# Altium PCB CanStepDriverPowerstep.PcbDoc
Units mm, origin at the board's own origin, x right, y up, seen from the top; angles counter-clockwise.
Board outline 152.4 x 101.6 mm, 4 copper layers (Top Layer, Power Layer, Ground Layer, Bottom Layer), stack 0.603 mm thick; 45 components, 43 nets, 243 pads, 47 vias.
Unrouted connection lines stored in the file: 115.
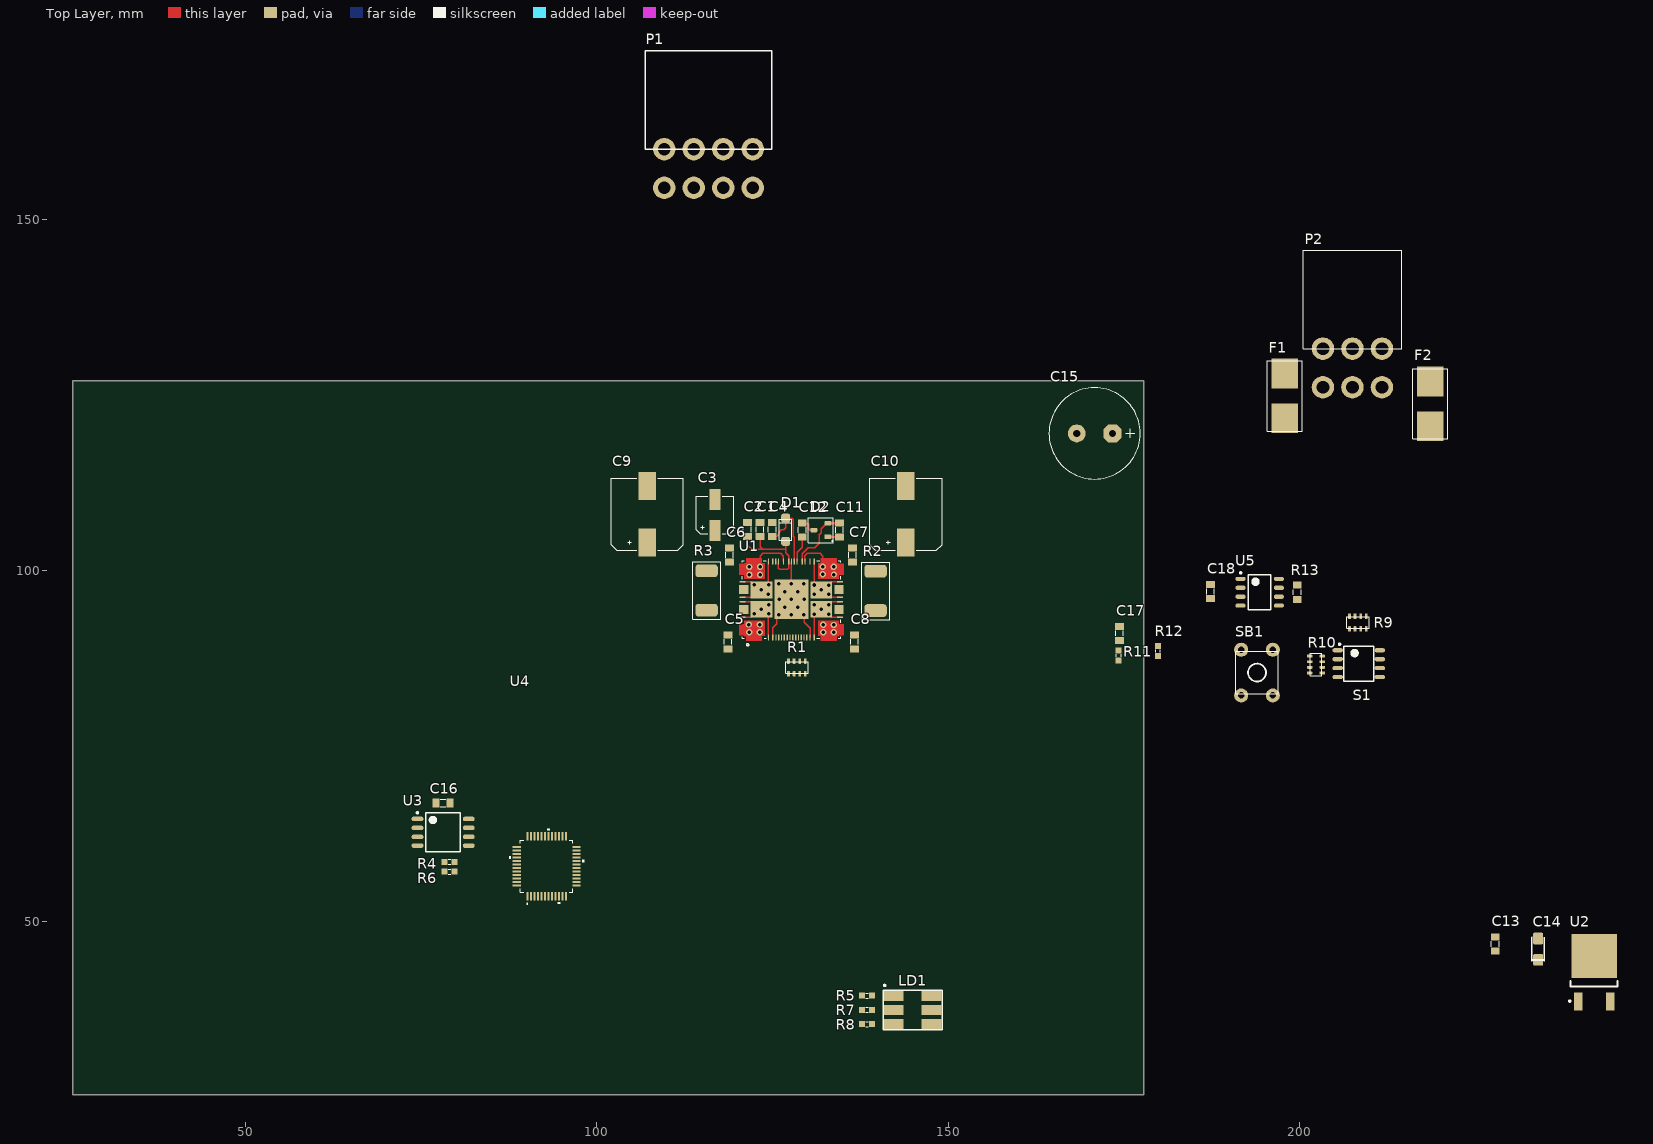
[diagram p0: Top Layer view]
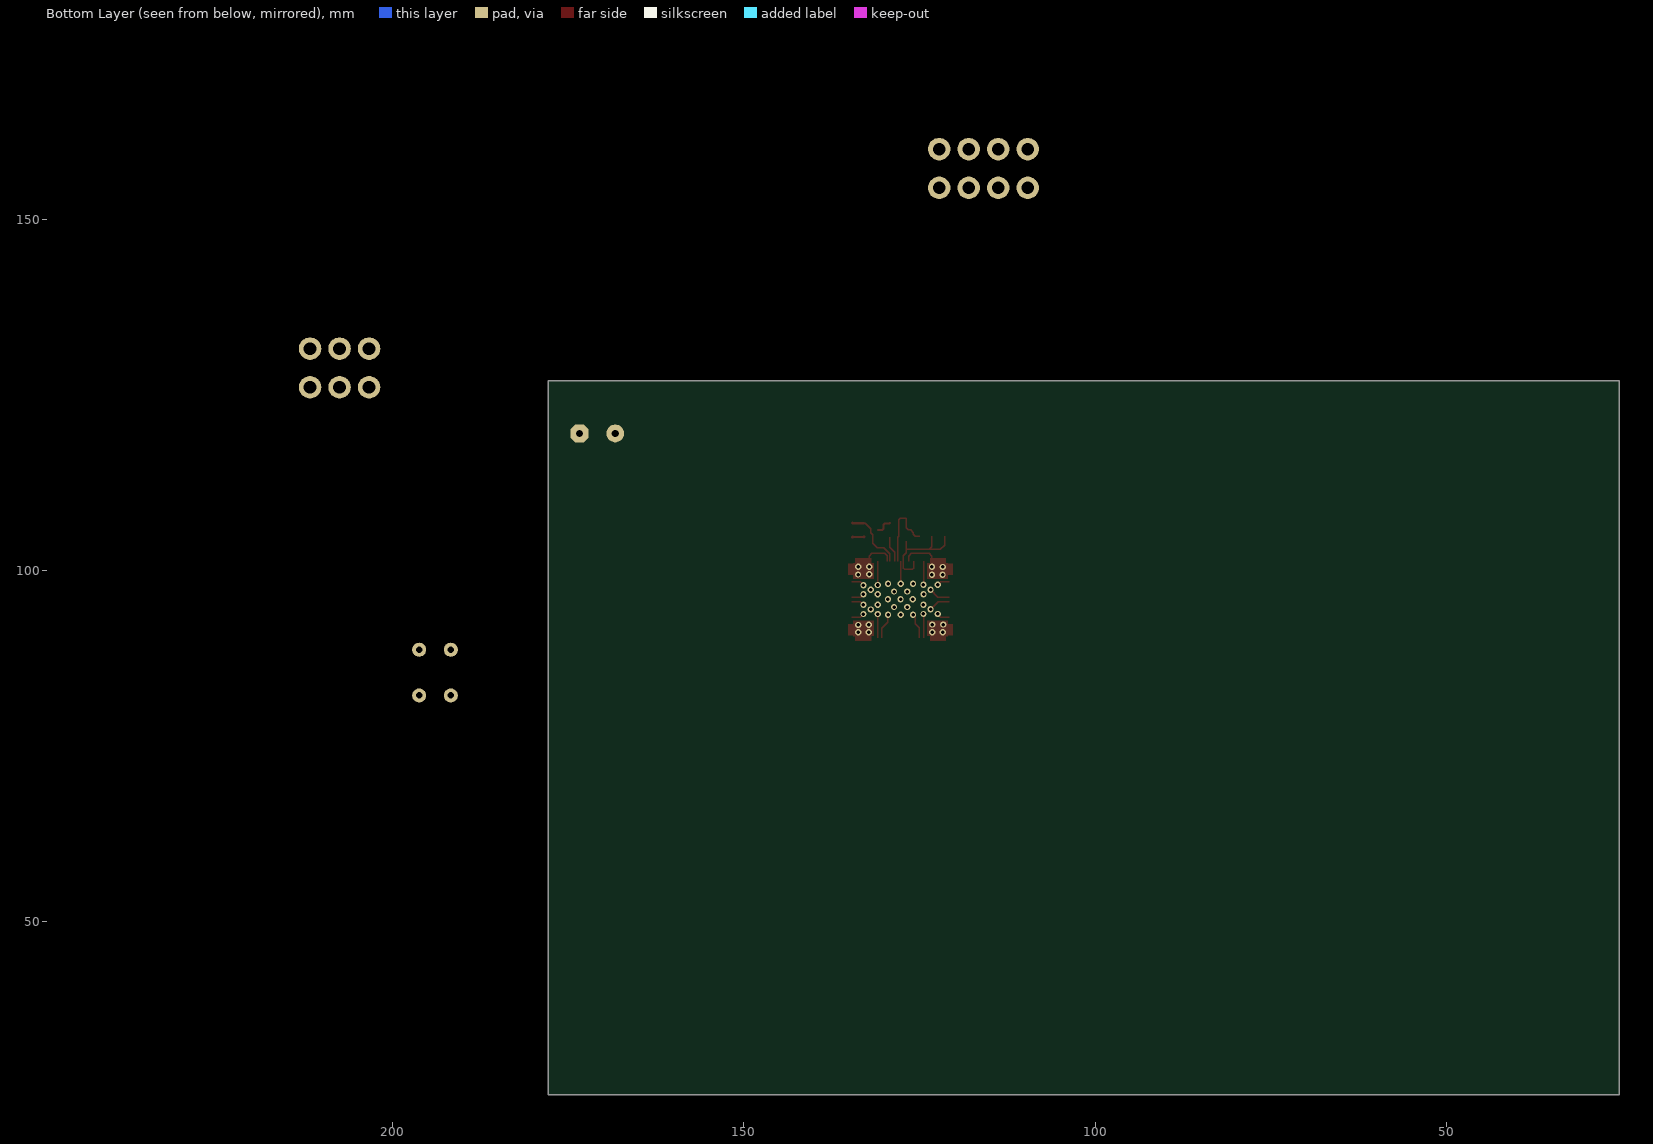
[diagram p1: Bottom Layer view, seen from below]
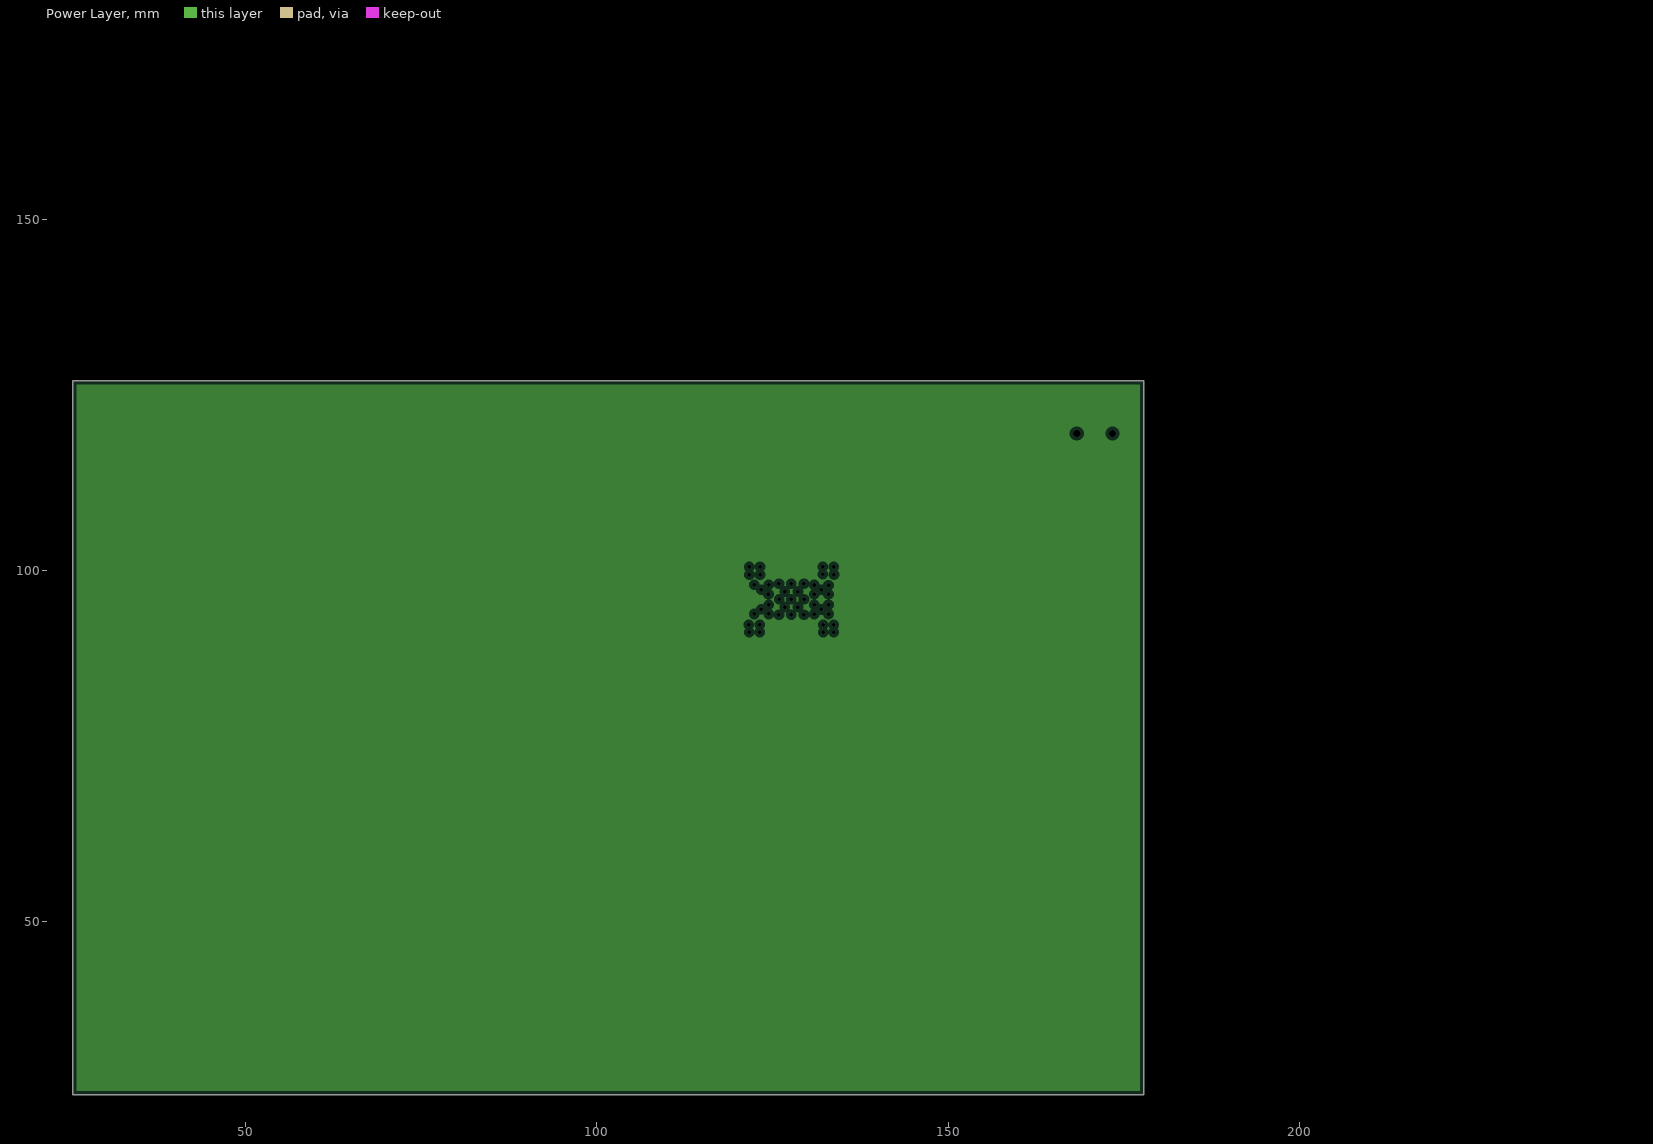
[diagram p2: Power Layer, clearances drawn from the general rule]
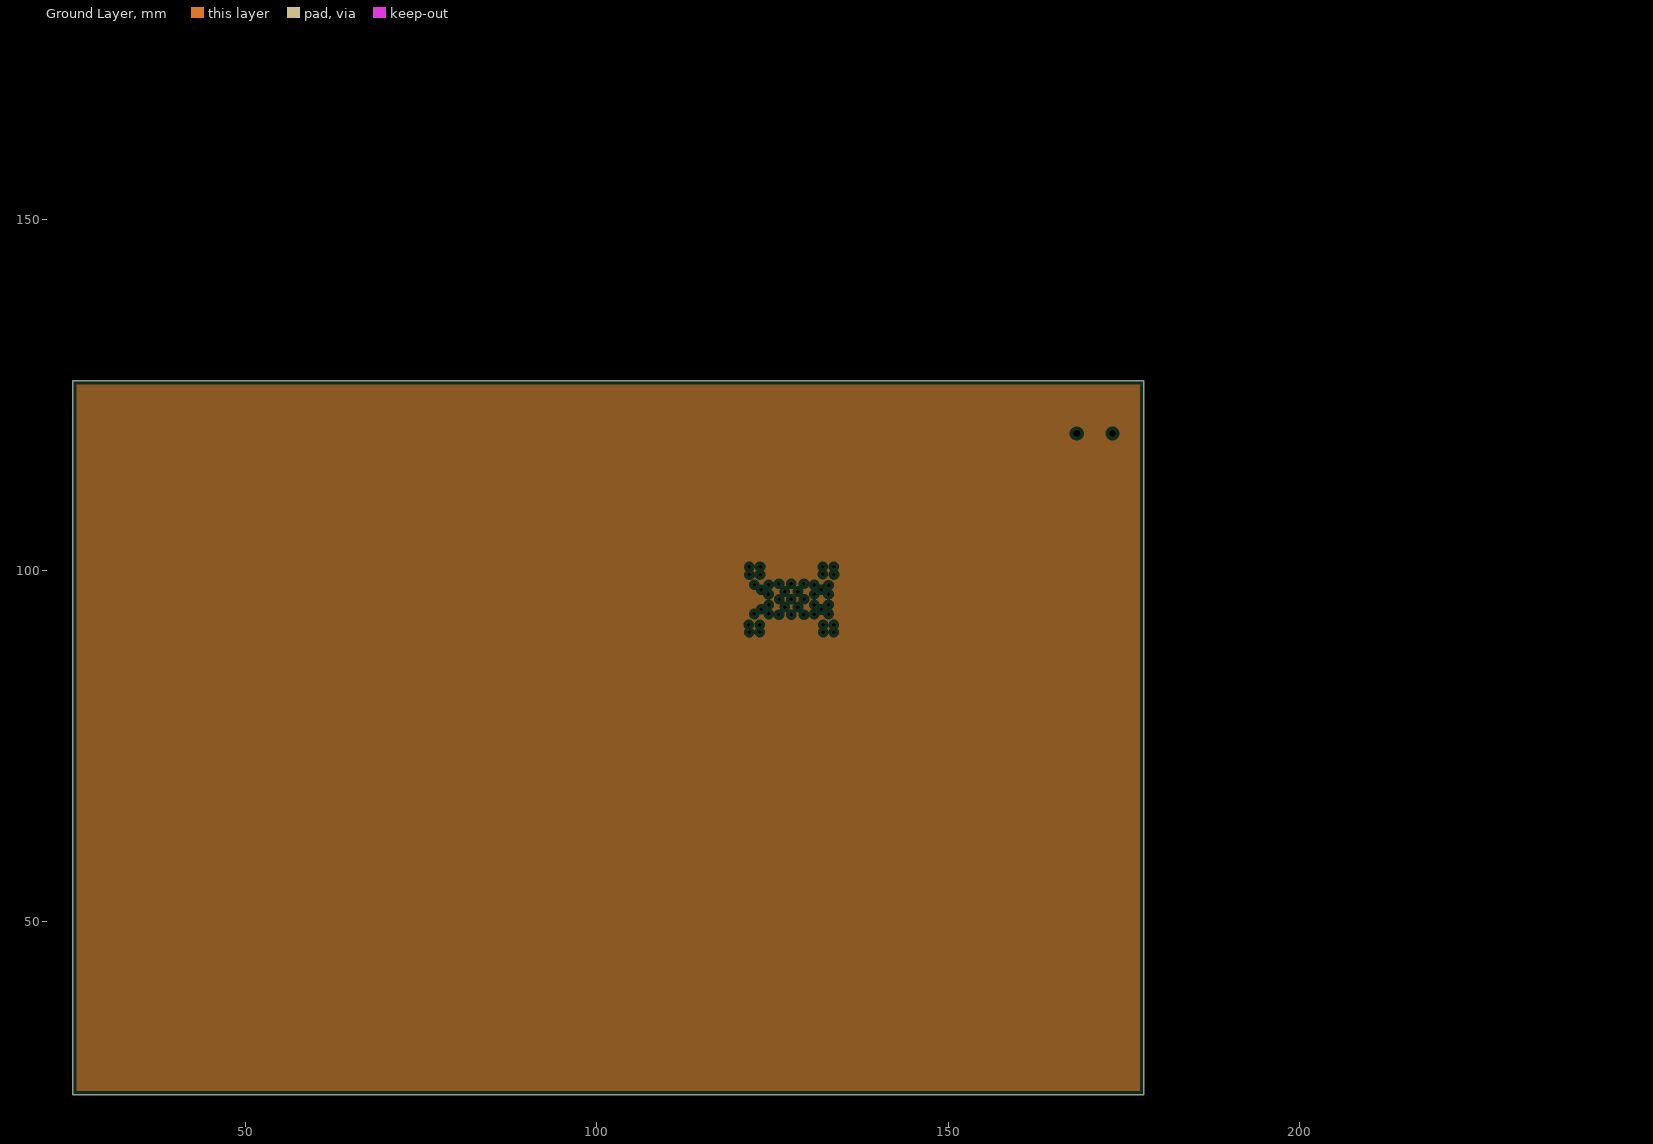
[diagram p3: Ground Layer, clearances drawn from the general rule]

## Layer stack, top to bottom
Top Solder: solder mask 0.0102, Solder Resist, Dk 3.5
Top Layer: signal copper 0.0356
Dielectric 2: prepreg 0.0711, PP-006, Dk 4.1
Power Layer: plane copper 0.035
Dielectric 1: dielectric 0.32, FR-4, Dk 4.8
Ground Layer: plane copper 0.035
Dielectric 3: prepreg 0.0711, PP-006, Dk 4.1
Bottom Layer: signal copper 0.0356
Bottom Solder: solder mask 0.0102, Solder Resist, Dk 3.5

## Board outline
25.4,25.4 177.8,25.4 177.8,127 25.4,127

## Design rules (kind name [scope] priority, off if disabled: settings)
Clearance [All] p1: gap=0.18 ignorepadtopadclearanceinfootprint=FALSE
PlaneClearance [All] p1: clearance=0.508
PlaneConnect [All] p1: planeconnectstyle=Relief reliefexpansion=0.508 reliefentries=4 reliefconductorwidth=0.254 reliefairgap=0.254
PolygonConnect [All] p1: connectstyle=Relief reliefconductorwidth=0.254 reliefentries=4 polygonreliefangle="90 Angle" airgapwidth=0.254
RoutingVias [All] p1: holewidth=0.711 width=1.27 viastyle="Through Hole" minholewidth=0.711 minwidth=1.27 maxholewidth=0.711 maxwidth=1.27
SolderMaskExpansion [All] p1: expansion=0.102 istentingtop=FALSE
Width [All] p1: maxlimit=1 minlimit=0.18 preferedwidth=0.25 minimp=50.000000 maximp=50.000000 favimp=50.000000
28 further rules are at their usual default settings.

## Classes and differential pairs
component class "U_03 - Interfaces": C18 R13 U5
component class "U_02 - MCU": C16 C17 LD1 R4 R5 R6 R7 R8 R9 R10 R11 R12 S1 SB1 U3 U4
component class "U_01 - Power": C1 C2 C3 C4 C5 C6 C7 C8 C9 C10 C11 C12 C13 C14 C15 D1 D2 F1 F2 P1 P2 R1 R2 R3 U1 U2

## Components (designator, comment, footprint, x,y, rotation, side; value= is the part's Value field where it differs from the comment)
C1 "100nF" "CAP: 0805" 123.2,105.85 r270 top
C2 "220nF" "CAP: 0805" 121.4,105.85 r90 top
C3 "47u" "EL SMD Case C D5x5.3 h5.4(0505)" 116.8,107.9 r90 top
C4 "470nF" "CAP: 0805" 124.95,105.85 r90 top
C5 "220nF" "CAP: 0805" 118.65,89.85 r270 top
C6 "220nF" "CAP: 0805" 118.85,102.2 r90 top
C7 "220nF" "CAP: 0805" 136.35,102.2 r90 top
C8 "220nF" "CAP: 0805" 136.65,89.85 r270 top
C9 "100u" "EL SMD Case G D10x10.3 h10.2(1010)" 107.15,108 r90 top
C10 "100u" "EL SMD Case G D10x10.3 h10.2(1010)" 143.95,108 r90 top
C11 "470nF" "CAP: 0805" 134.5,105.75 r90 top
C12 "" "CAP: 0805" 129.2,105.75 r90 top value="47n x 100v"
C13 "100nF" "CAP: 0805" 227.838,46.863 r90 top
C14 "10u" "EL Case A (3216-18)" 233.934,46.101 r90 top
C15 "1000u" El-d13-h21-F5.08 170.815,119.507 r0 top
C16 "100nF" "CAP: 0805" 78.105,66.929 r180 top
C17 "100nF" "CAP: 0805" 174.371,91.059 r90 top
C18 "100nF" "CAP: 0805" 187.325,97.028 r90 top
D1 "BAT46Z" SOD123 126.85,105.8 r90 top
D2 "BAR43" SOT23 131.85,105.75 r90 top
F1 "5A" "Littelfuse 0451/453" 197.866,124.841 r90 top
F2 "8A" "Littelfuse 0451/453" 218.567,123.713 r90 top
LD1 "FYLS-5050RGB" FYLS-5050RGB 144.907,37.465 r0 top
P1 "DS-1073-4x2" DS-1073-4x2 115.874,157.209 r90 top
P2 "DS-1073_3x2" DS-1073-2x3 207.509,128.822 r90 top
R1 "47k" RM4x0603 128.45,86.2 r90 top
R2 "0R1" R2512 139.65,97.1 r270 top
R3 "0R1" R2512 115.6,97.15 r270 top
R4 "4k7" "RES: 0603" 78.994,58.547 r180 top
R5 "220" "RES: 0603" 138.43,39.497 r0 top
R6 "4k7" "RES: 0603" 78.994,57.15 r180 top
R7 "220" "RES: 0603" 138.43,37.465 r0 top
R8 "360" "RES: 0603" 138.43,35.433 r0 top
R9 "10k" RM4x0603 208.28,92.583 r90 top
R10 "470" RM4x0603 202.311,86.614 r0 top
R11 "10k" "RES: 0603" 174.244,87.884 r90 top
R12 "10k" "RES: 0603" 179.832,88.519 r90 top
R13 "120" "RES: 0805" 199.644,96.901 r90 top
S1 "DHN-04F-V" SOIC-8-DIP_W 208.407,86.741 r0 top
SB1 "TS-06" TS-06 193.929,85.471 r0 top
U1 "POWERSTEP01" POWERSTEP01 127.67,95.865 r90 top
U2 "LD1117DT33CTR" DPAK 241.935,41.91 r90 top
U3 "24LC256I/SM" "SOP-8N (SOIJ)" 78.105,62.738 r0 top
U4 "STM32G431CBTx" LQFP48-7x7mm 92.837,57.912 r90 top value=Value
U5 "MCP2551" SOIC-8N 194.31,96.901 r0 top

## Footprints (in the part's own frame and the unit in brackets; to place one, negate y for a bottom-side part, rotate by r counter-clockwise, add the part's x,y. Pads: shape width x height; smd on the part's side, far side on the other; paste and mask are expansions set on the pad)
"CAP: 0805" [mm]
  rect 1x1.25 smd: 1(-1,0) 2(1,0)
  silkscreen extent -0.38,-0.55 0.38,0.55, body extent -1,-0.62 1,0.63, height 0.78
DPAK [mm]
  rect 2.5x1.2 smd: 1(-3.25,2.29) 3(-3.25,-2.29)
  rect 6.25x6.5 smd: 2(3.25,0)
  round 0.5 on Mech1: ""(-3.2,2.9)
  silkscreen extent -3.32,-3.3 -0.3,3.62, body extent -3.8,-3.32 6.3,3.42, height 2.37
DS-1073-2x3 [mm]
  round 3.2 hole 1.8: 1(-2.75,4.2) 2(2.75,4.2) 3(-2.75,0) 4(2.75,0) 5(-2.75,-4.2) 6(2.75,-4.2)
  oval 1.35x1 hole 3.2 unplated: ""(10.05,-4.2) ""(10.05,4.2)
  silkscreen extent 2.75,-7 16.75,7, body extent -3.29,-7 16.84,6.9, height 11.44
DS-1073-4x2 [mm]
  round 3.2 hole 1.8: 1(-2.75,6.3) 2(2.75,6.3) 3(-2.75,2.1) 4(2.75,2.1) 5(-2.75,-2.1) 6(2.75,-2.1) 7(-2.75,-6.3) 8(2.75,-6.3)
  oval 1.35x1 hole 3.2 unplated: ""(10.05,-6.3) ""(10.05,6.3)
  silkscreen extent 2.75,-9 16.75,9, body extent -3.23,-9.08 16.9,8.98, height 11.44
"EL Case A (3216-18)" [mm] "Capacitor, SM Tantalum; Body 3.2 x 1.6 mm (LxW typ)"
  rrect25% 1.65x1.4 smd: 1(-1.525,0) 2(1.525,0)
  silkscreen extent -1.7,-0.9 1.7,0.9, body extent -1.6,-0.8 1.6,0.8, height 1.61
"EL SMD Case C D5x5.3 h5.4(0505)" [mm]
  rect 3x1.6 smd mask+0.102: 1(-2.2,0) 2(2.2,0)
  silkscreen extent -2.65,-2.65 2.65,2.65, body extent -2.95,-2.65 2.95,2.65, height 5.41
"EL SMD Case G D10x10.3 h10.2(1010)" [mm]
  rect 4x2.5 smd mask+0.102: 1(-4,0) 2(4,0)
  silkscreen extent -5.15,-5.15 5.15,5.15, body extent -5.8,-5.15 5.8,5.15, height 10.2
El-d13-h21-F5.08 [mil]
  oct 100x100 hole 40: 1(100,0)
  round 100 hole 40: 2(-100,0)
  silkscreen extent -256,-256 256,256, body extent -257,-256 257,255, height 848
FYLS-5050RGB [mm]
  rect 2.8x1.4 smd: 1(-2.7,2) 2(-2.7,0) 3(-2.7,-2) 4(2.7,-2) 5(2.7,0) 6(2.7,2)
  silkscreen extent -4.2,-2.8 4.2,3.6, body extent -2.76,-2.55 2.78,2.55, height 1.6
"Littelfuse 0451/453" [mm]
  rect 4.24x3.81 smd: 1(-3.19,0) 2(3.19,0)
  silkscreen extent -5,-2.5 5,2.5, body extent -5.09,-2.47 5.04,2.52, height 3.68
LQFP48-7x7mm [mm]
  rect 1.194x0.305 smd paste+0 mask+0: 1(-4.25,2.75) 2(-4.25,2.25) 3(-4.25,1.75) 4(-4.25,1.25) 5(-4.25,0.75) 6(-4.25,0.25) 7(-4.25,-0.25) 8(-4.25,-0.75) 9(-4.25,-1.25) 10(-4.25,-1.75) 11(-4.25,-2.25) 12(-4.25,-2.75) 25(4.25,-2.75) 26(4.25,-2.25) 27(4.25,-1.75) 28(4.25,-1.25) 29(4.25,-0.75) 30(4.25,-0.25) 31(4.25,0.25) 32(4.25,0.75) 33(4.25,1.25) 34(4.25,1.75) 35(4.25,2.25) 36(4.25,2.75)
  rect 0.305x1.194 smd paste+0 mask+0: 13(-2.75,-4.25) 14(-2.25,-4.25) 15(-1.75,-4.25) 16(-1.25,-4.25) 17(-0.75,-4.25) 18(-0.25,-4.25) 19(0.25,-4.25) 20(0.75,-4.25) 21(1.25,-4.25) 22(1.75,-4.25) 23(2.25,-4.25) 24(2.75,-4.25) 37(2.75,4.25) 38(2.25,4.25) 39(1.75,4.25) 40(1.25,4.25) 41(0.75,4.25) 42(0.25,4.25) 43(-0.25,4.25) 44(-0.75,4.25) 45(-1.25,4.25) 46(-1.75,4.25) 47(-2.25,4.25) 48(-2.75,4.25)
  silkscreen extent -5.43,-5.35 5.35,5.35, body extent -4.5,-4.5 4.5,4.5, height 1.6
POWERSTEP01 [mm]
  rect 0.5x0.5 smd paste-1 mask+0: 1(-3.6,4.65) 23(-3.6,-4.6) 43(4.55,-5.9) 66(4.55,4.6)
  rect 0.86x0.19 smd: 7(-5.435,3.27) 8(-5.435,2.65) 9(-5.435,2.2) 10(-5.435,1.8) 11(-5.435,1.4) 12(-5.435,1) 13(-5.435,0.6) 14(-5.435,0.2) 15(-5.435,-0.2) 16(-5.435,-0.6) 17(-5.435,-1) 18(-5.435,-1.4) 19(-5.435,-1.8) 20(-5.435,-2.2) 21(-5.435,-2.65) 22(-5.435,-3.27) 53(5.435,-3.27) 54(5.435,-2.65) 55(5.435,-1.93) 56(5.435,-1.53) 57(5.435,-0.8) 58(5.435,-0.4) 59(5.435,0) 60(5.435,0.4) 61(5.435,1.13) 62(5.435,1.85) 63(5.435,2.25) 64(5.435,2.65) 65(5.435,3.27)
  rect 0.19x0.86 smd: 33(-2.51,-6.935) 37(-0.32,-6.935) 38(0.32,-6.935) 42(2.51,-6.935) 76(2.51,6.935) 80(0.32,6.935) 81(-0.32,6.935) 85(-2.51,6.935)
  rect 1.26x1.3 smd paste-2: 34(-1.42,-6.79) 39(1.42,-6.79) 77(1.42,6.79) 82(-1.42,6.79)
  rect 2.4x3.1 smd paste-3: EPAD3(-1.38,-4.26) EPAD4(1.38,-4.26) EPAD7(1.38,4.26) EPAD8(-1.38,4.27)
  rect 5.6x4.8 smd paste-4: EPAD9(0.04,0)
  Top Layer region: -3.54,6.71 -2.99,6.71 -2.99,3.81 -5.18,3.81 -5.18,4.2 -5.86,4.2 -5.86,6.45 -5.19,6.45 -5.19,6.72 -5.07,6.72 -5.07,7.44 -3.54,7.44
  Top Layer region: 5.18,-4.2 5.86,-4.2 5.86,-6.45 5.19,-6.45 5.19,-6.72 5.07,-6.72 5.07,-7.44 3.54,-7.44 3.54,-6.71 2.99,-6.71 2.99,-3.81 5.18,-3.81
  Top Layer region: 5.07,6.72 5.19,6.72 5.19,6.45 5.86,6.45 5.86,4.2 5.18,4.2 5.18,3.81 2.99,3.81 2.99,6.71 3.54,6.71 3.54,7.44 5.07,7.44
  Top Layer region: -2.99,-6.71 -3.54,-6.71 -3.54,-7.44 -5.07,-7.44 -5.07,-6.72 -5.19,-6.72 -5.19,-6.45 -5.86,-6.45 -5.86,-4.2 -5.18,-4.2 -5.18,-3.81 -2.99,-3.81
  silkscreen extent -6.59,-7 5.5,7, body extent -5.5,-7 5.5,7, height 1
R2512 [mm]
  rrect50% 1.8x3.2 smd: 1(-2.8,0) 2(2.8,0)
  silkscreen extent -4.1,-2 4.1,2, body extent -3.16,-1.6 3.16,1.6, height 0.62
"RES: 0603" [mm]
  rect 0.85x0.85 smd: 1(-0.7,0) 2(0.7,0)
  silkscreen extent -0.18,-0.35 0.18,0.35, body extent -0.8,-0.4 0.8,0.4, height 0.44
"RES: 0805" [mm]
  rect 1x1.25 smd: 1(-1,0) 2(1,0)
  silkscreen extent -0.38,-0.55 0.38,0.55, body extent -1,-0.6 1,0.6, height 0.44
RM4x0603 [mm]
  rrect50% 0.8x0.4 smd: 1(-0.9,1.2) 2(-0.9,0.4) 3(-0.9,-0.4) 4(-0.9,-1.2) 5(0.9,-1.2) 6(0.9,-0.4) 7(0.9,0.4) 8(0.9,1.2)
  silkscreen extent -0.8,-1.6 0.8,1.6, body extent -0.8,-1.6 0.8,1.6, height 0.5
SOD123 [mil]
  rrect50% 50x50 smd: 1(-65,0) 2(65,0)
  silkscreen extent -58,-35 58,35, body extent -77,-35 77,35, height 47
SOIC-8-DIP_W [mm] "SOIC, 8-Leads, Body 4,90x3,90mm, Pitch 1,27mm, IPC Medium Density"
  oval 1.5x0.6 smd: 1(-3,1.905) 2(-3,0.635) 3(-3,-0.635) 4(-3,-1.905) 5(3,-1.905) 6(3,-0.635) 7(3,0.635) 8(3,1.905)
  silkscreen extent -2.85,-2.5 2.1,2.88, body extent -3.35,-3.15 3.35,3.16, height 1.61
SOIC-8N [mm] "SOIC, 8-Leads, Body 4,90x3,90mm, Pitch 1,27mm, IPC Medium Density"
  oval 1.45x0.6 smd: 1(-2.725,1.905) 2(-2.725,0.635) 3(-2.725,-0.635) 4(-2.725,-1.905) 5(2.725,-1.905) 6(2.725,-0.635) 7(2.725,0.635) 8(2.725,1.905)
  silkscreen extent -2.85,-2.5 1.6,2.88, body extent -3,-2.5 3,2.5, height 1.75
"SOP-8N (SOIJ)" [mm] "SOP, 8-Leads, Body 5,38x5,38mm, Pitch 1,27mm, IPC Medium Density"
  oval 1.7x0.65 smd: 1(-3.65,1.905) 2(-3.65,0.635) 3(-3.65,-0.635) 4(-3.65,-1.905) 5(3.65,-1.905) 6(3.65,-0.635) 7(3.65,0.635) 8(3.65,1.905)
  silkscreen extent -3.77,-2.75 2.45,2.9, body extent -4,-2.62 4,2.63, height 2.58
SOT23 [mm] "SOT-23; 3 Leads; Body 3.0 x 2.6 mm Pitch 0.95mm"
  rrect50% 0.65x1 smd: 1(-0.95,-1) 2(0.95,-1) 3(0,1)
  silkscreen extent -1.78,-1.78 1.78,1.78, body extent -1.46,-1.23 1.46,1.24, height 1
TS-06 [mm]
  round 2 hole 0.9: 1(-2.25,-3.25) 1(-2.25,3.25) 2(2.25,-3.25) 2(2.25,3.25)
  silkscreen extent -3.05,-3.05 3.05,3.05, body extent -3,-3.3 3,3.3, height 3.95

## Part data
C1 C2 C4 C5 C6 C7 C8 C11 C12 C13 C16 C17 C18: library part C-0805, "SMD-0805", Price=0.014
  C2 C5 C6 C7 C8: ComponentLink1Description="New link", ComponentLink1URL=https://www.electronshik.ru/item/YAG/CC0805KKX7R9BB224
  C4 C11: ComponentLink1Description="New link", ComponentLink1URL=https://www.electronshik.ru/item/MUR/GRM21BR71H474KA88L
  C12: ComponentLink1Description="New link", ComponentLink1URL=https://www.electronshik.ru/item/YAG/CC0805KKX7R0BB473
C3: library part "EL 10u/50V", "EL 50V SMD Case C D5x5.3 h5.4", Price=0.014
C9 C10: library part "EL 100u/35V", "EL 35V SMD Case G D10x10.3h10.5", ComponentLink1Description="New link", ComponentLink1URL=https://www.chipdip.ru/product0/9000565738, Price=0.014
C14: library part "EL 10u/16V Tant.", "El Case A (2012-12)", ComponentLink1Description="New link", ComponentLink1URL=https://www.electronshik.ru/item/VISHAY/293D106X0016A2TE3, ComponentLink2Description="New link", ComponentLink2URL=https://www.chipdip.ru/product0/868717967, Price=0.22
C15: library part "1000u-35V 105F", "35V 105C 34m 1.8A 5000h", Price=0.42
D1: library part 1N6263, "SMD-SOT123 60V 15mA 2.2pF 1nS", ComponentLink1Description="New link", ComponentLink1URL=https://www.electronshik.ru/item/ST/BAT46ZFILM, Price=0.07
D2: library part BAT54S, "SMD-SOT23 30V 0.2A 5nS 10pF", ComponentLink1Description="New link", ComponentLink1URL=https://www.electronshik.ru/item/ST/BAR43FILM, Price=0.08
F1 F2: library part "Littelfuse 0451", "0451003", ComponentLink1Description="New link", ComponentLink1URL=https://www.electronshik.ru/item/LTL/0451003.MRL, Price=0.3
R1 R9 R10: library part 4RM-0603, "SMD 4RM-0603 1\16W 5%", ComponentLink1Description="New link", Price=0.07
  R1: ComponentLink1URL=https://www.electronshik.ru/item/BOURNS/CAT16-473J4LF
  R9: ComponentLink1URL=https://www.electronshik.ru/item/BOURNS/CAT16-103J4LF
  R10: ComponentLink1URL=https://www.electronshik.ru/item/BOURNS/CAT16-471J4LF
R2 R3: library part R-2512, "SMD 2512 1W 5% 200V", ComponentLink1Description="New link", ComponentLink1URL=https://www.electronshik.ru/item/BOURNS/CRA2512-FZ-R100ELF, Price=0.087
R4 R5 R6 R7 R8 R11 R12: library part R-0603, "SMD 0603 0.0625W 5% 50V", Price=0.017
R13: library part R-0805, "SMD 0805 0.1W 5% 150V", Price=0.017
S1: library part "SW DIP-4", "DIP Switch, 4 Position, SPST", Code_IPC=SOIC127P600-8, Code_JEDEC=MS-012-AA, ComponentLink1Description="New link", ComponentLink1URL=https://www.electronshik.ru/item/DIP/DHN-04F-V, LatestRevisionDate=29-May-2009, LatestRevisionNote="IPC-7351 Footprint Added.", PackageDescription="8-Pin Small Outline Integrated Circuit 1.27 mm Pitch", PackageReference=SO8, PackageVersion=Dec-2002, Published=24-Mar-1999, Publisher="Altium Limited"
SB1: library part "Buton TS-06", Price=0.15
U1: "Bipolar Motor Driver Power MOSFET SPI 89-VFQFPN _11x14_", Package="PowerVFQFN-89 STMicroelectronics", Availability=Unavailable, ComponentLink1Description=Buy, ComponentLink1URL=https://www.electronshik.ru/item/ST/POWERSTEP01, ComponentLink2Description=Module, ComponentLink2URL=https://www.st.com/resource/en/user_manual/dm00206777-getting-started-with-the-high-power-stepper-motor-driver-expansion-board-based-on-powerstep01-for-stm32-nucleo-stmicroelectronics.pdf, ComponentLink3Description=Software, ComponentLink3URL=https://www.st.com/resource/en/user_manual/dm00207127-getting-started-with-the-xcubespn3-high-power-stepper-motor-driver-software-expansion-for-stm32cube-stmicroelectronics.pdf, ComponentLink4Description=Datasheet, ComponentLink4URL=https://www.st.com/resource/en/datasheet/powerstep01.pdf, MF=STMicroelectronics, MP=POWERSTEP01, Price=None
U4: "Mainstream Arm Cortex-M4 core with DSP and FPU, 170MHz with 128Kbytes of Flash memory, Math Accelerator, Medium Analog level integration", Manufacturer_Part_Number=stm32g4_lqfp48_t1, Built_By=EMA_Jessica, Copyright="Copyright (C) 2016 Accelerated Designs. All rights reserved", RefDes=RefDes, Type=DEV, Vendor=STMicroelectronics
LD1: ComponentLink1Description="New link", ComponentLink1URL=https://www.chipdip.ru/catalog/smd-leds?gq=FYLS-5050RGB
P1: ComponentLink1Description="New link", ComponentLink1URL=https://www.chipdip.ru/product/ds1073-01-2x4-mr2t6-mf2x4mra
P2: ComponentLink1Description="New link", ComponentLink1URL=https://www.chipdip.ru/product/ds1073-01-2x3-mr2t6-mf2x3mra
U2: ComponentLink1Description="New link", ComponentLink1URL=https://www.chipdip.ru/product/ld1117dt33ctr
U3: ComponentLink1Description="New link", ComponentLink1URL=https://www.chipdip.ru/product/24lc256-i-sm

## Via types
v1: diameter 0.9, hole 0.5, Top Layer to Bottom Layer, 47 vias

## Nets (pads, with @x,y where several pads share a name; then routed paths per layer and width w, separated by ;. In a path a pad name is that pad's centre, name@x,y a point inside that pad or via, vN(x,y) a via of type N, cw(c..) or ccw(c..) an arc to the next point about the centre after c; other vN are vias at no path point)
+3.3V: C1.2 C2.1 C3.1 C14.1 C16.1 D1.1 R1.2 R1.3 R1.4 R4.2 R6.2 R9.5 R9.6 R9.7 R9.8 R11.1 SB1.2 U1.13 U1.60 U1.62 U2.2 U3.8 | length 15.5
  Top Layer w0.18: C2.1 121.4,103.6 122,103 123.6,103 ; C1.2 123.2,103.4 123.6,103 ; U1.62 125.82,100.315 125.985,100.15 127.1,100.15 127.27,100.32 U1.60 127.27,102.08 126.85,102.5 126.85,103 ; D1.1 126.85,103 ; 123.6,103 126.85,103
+5V: C13.2 C18.1 LD1.4 LD1.5 LD1.6 U2.3 U5.3
+12V: F1.1
+24V: C5.1 C6.1 C7.1 C8.1 C9.1 C10.1 C11.1 C15.1 D2.1 F2.1 U1.1 U1.23 U1.43 U1.55 U1.61 U1.66 | length 12.8
  Top Layer w0.18: v1(123.2,100.55) 123.2,102.05 123.585,102.435 126.165,102.435 126.54,102.06 U1.61 ; U1.55 129.6,102.1 129.95,102.45 131.75,102.45 132.142,102.058 v1(132.142,100.513)
  Top Layer w0.3: D2.1@132.875,104.775 C11.1@134.475,104.775
  Top Layer w0.381: D2.1 D2.1@132.875,104.775 ; C11.1@134.475,104.775 C11.1
  other v1: 132.216,91.198 121.65,91.2 123.15,91.2 133.7,91.2 133.7,92.25 132.183,92.275 121.6,92.3 123.15,92.3 121.7,99.4 123.2,99.4 133.724,99.426 132.124,99.443 121.65,100.5 133.7,100.55
BTN: R12.1 SB1.1
CANH: R13.2 U5.7
CANL: R13.1 U5.6
GND: C1.1 C2.2 C3.2 C4.2 C5.2 C6.2 C7.2 C8.2 C9.2 C10.2 C13.1 C14.2 C15.2 C16.2 C17.2 C18.2 P2.2 P2.4 P2.6 R2.1 R3.1 R12.2 S1.5 S1.6 S1.7 S1.8 U1.8 U1.21 U1.59 U1.EPAD9 U2.1 U3.1 U3.2 U3.3 U3.4 U3.7 U5.2 | length 10.5
  Top Layer w0.18: U1.8 125.02,91.87 125.55,92.4 125.55,93.35 v1(125.9,93.7) ; v1(127.65,98.1) 127.67,98.12 U1.59 ; v1(129.45,93.7) 129.5,93.65 129.5,92.6 130.32,91.78 U1.21
  other v1: 127.65,93.7 126.7,94.8 128.6,94.8 125.92,95.905 127.67,95.905 129.47,95.905 126.7,97 128.6,97 125.9,98.1 129.45,98.1
NetC4_1: C4.1 D1.2 U1.58 | length 11.1
  Top Layer w0.18: C4.1 125.55,104.85 125.85,105.15 125.85,105.4 126.25,105.8 126.6,105.8 126.85,106.05 D1.2 127.749,107.451 127.95,107.25 127.95,104.85 128.07,104.73 U1.58
NetC11_2: C11.2 D2.2 U1.56 | length 9.2
  Top Layer w0.18: U1.56 129.2,102.4 130.05,103.25 131,103.25 131.65,103.9 131.65,105.05 131.95,105.35 131.95,105.95 132.725,106.725 D2.2@132.875,106.725
  Top Layer w0.3: D2.2@132.875,106.725 C11.2@134.475,106.725
  Top Layer w0.381: C11.2@134.475,106.725 C11.2
NetC12_1: C12.1 U1.57 | length 3.8
  Top Layer w0.18: U1.57 128.47,102.57 129.2,103.3 C12.1
NetC12_2: C12.2 D2.3 | length 2.4
  Top Layer w0.3: C12.2 129.25,106.7 129.924,106.7 130.1,106.524 130.1,105.926 130.276,105.75 D2.3
NetF1_2: F1.2 P2.1
NetF2_2: F2.2 P2.3 P2.5
NetLD1_1: LD1.1 R5.2
NetLD1_2: LD1.2 R7.2
NetLD1_3: LD1.3 R8.2
NetP1_1: P1.1 P1.2
NetP1_3: P1.3 P1.4
NetR9_1: R9.1 R10.8 S1.1
NetR9_2: R9.2 R10.7 S1.2
NetR9_3: R9.3 R10.6 S1.3
NetR9_4: R9.4 R10.5 S1.4
NetU4_33: U4.33 U5.4
NetU4_34: U4.34 U5.1
NetU5_8: U5.8
NRST: C17.1 R11.2
OUTA1: P1.5 U1.38 U1.42 U1.53 U1.EPAD4 | length 7
  Top Layer w0.18: v1(130.913,97.934) 130.94,97.961 U1.53 ; v1(132.95,96.6) 133.365,96.185 U1.38 ; v1(132.95,97.92) 132.955,97.92 133.41,98.375 U1.42
  other v1: 130.913,96.6 131.93,97.27
OUTA2: P1.8 U1.22 U1.33 U1.37 U1.EPAD3 | length 7.1
  Top Layer w0.18: v1(130.9,93.8) 130.94,93.76 U1.22 ; v1(132.95,93.8) 132.965,93.8 133.41,93.355 U1.33 ; v1(132.95,95.1) 132.95,95.105 133.39,95.545 U1.37
  other v1: 131.9,94.45 130.9,95.1
OUTB1: P1.6 U1.65 U1.76 U1.80 U1.EPAD7 | length 8.3
  Top Layer w0.18: U1.80 122.35,96.185 U1.EPAD7 ; U1.76 121.93,98.375 122.341,97.964 v1(122.383,97.964) ; U1.65 124.4,97.97 v1(124.42,97.95)
  other v1: 124.4,96.6 123.4,97.25
OUTB2: P1.7 U1.7 U1.81 U1.85 U1.EPAD8 | length 8.3
  Top Layer w0.18: U1.85 121.92,93.355 122.38,93.815 v1(122.383,93.815) ; U1.81 122.34,95.545 v1(123.4,94.485) ; U1.7 124.4,93.795 v1(124.42,93.815)
  other v1: 124.42,95.135
PA0: R1.6 U1.16 U4.8
PA1: R1.7 U1.15 U4.9
PA2: R1.5 U1.17 U4.10
PA3: U1.19 U4.11
PA4: U1.10 U4.12
PA5: U1.11 U4.13
PA6: U1.14 U4.14
PA7: U1.12 U4.15
SCL_PA13: R4.1 U3.6 U4.37
SDA_PA14: R6.1 U3.5 U4.38
SEN_A: R2.2 U1.20 U1.34 U1.39
SEN_B: R3.2 U1.9 U1.77 U1.82
pads on no net: P1. P2. R1.1 R1.8 R5.1 R7.1 R8.1 R10.1 R10.2 R10.3 R10.4 U1.18 U1.54 U1.63 U1.64 U2. U4.1 U4.2 U4.3 U4.4 U4.5 U4.6 U4.7 U4.16 U4.17 U4.18 U4.19 U4.20 U4.21 U4.22 U4.23 U4.24 U4.25 U4.26 U4.27 U4.28 U4.29 U4.30 U4.31 U4.32 U4.35 U4.36 U4.39 U4.40 U4.41 U4.42 U4.43 U4.44 U4.45 U4.46 U4.47 U4.48 U5.5

## Polygon pours and split planes (outlines as drawn)
no net on Power Layer (split plane): 177.29,25.91 25.91,25.91 25.91,126.49 177.29,126.49
no net on Ground Layer (split plane): 177.29,25.91 25.91,25.91 25.91,126.49 177.29,126.49

## Text inside footprints (layer, text, board x,y; h text height)
U4: Mechanical 7 "Default Padstyle: RX47Y12D0T" at 104.288,49.022 h1.27 r90; Mechanical 7 "Alt 1 Padstyle: OX60Y90D30P" at 108.86,49.34 h1.27 r90; Mechanical 7 "Alt 2 Padstyle: OX90Y60D30P" at 110.384,49.34 h1.27 r90; Mechanical 7 "0.02in/0.5mm" at 90.654,47.604 h0.64 r90; Mechanical 7 "0.335in/8.5mm" at 93.154,64.41 h0.64 r90; Mechanical 7 "0.335in/8.5mm" at 100.351,55.848 h0.64 r90; Mechanical 7 "0.283in/7.188mm" at 100.922,55.531 h0.64 r90; Mechanical 7 "0.283in/7.188mm" at 93.154,45.699 h0.64 r90